# Altium PCB HYDRA_V3_NAV.PcbDoc (part 1 of 2) (continued)
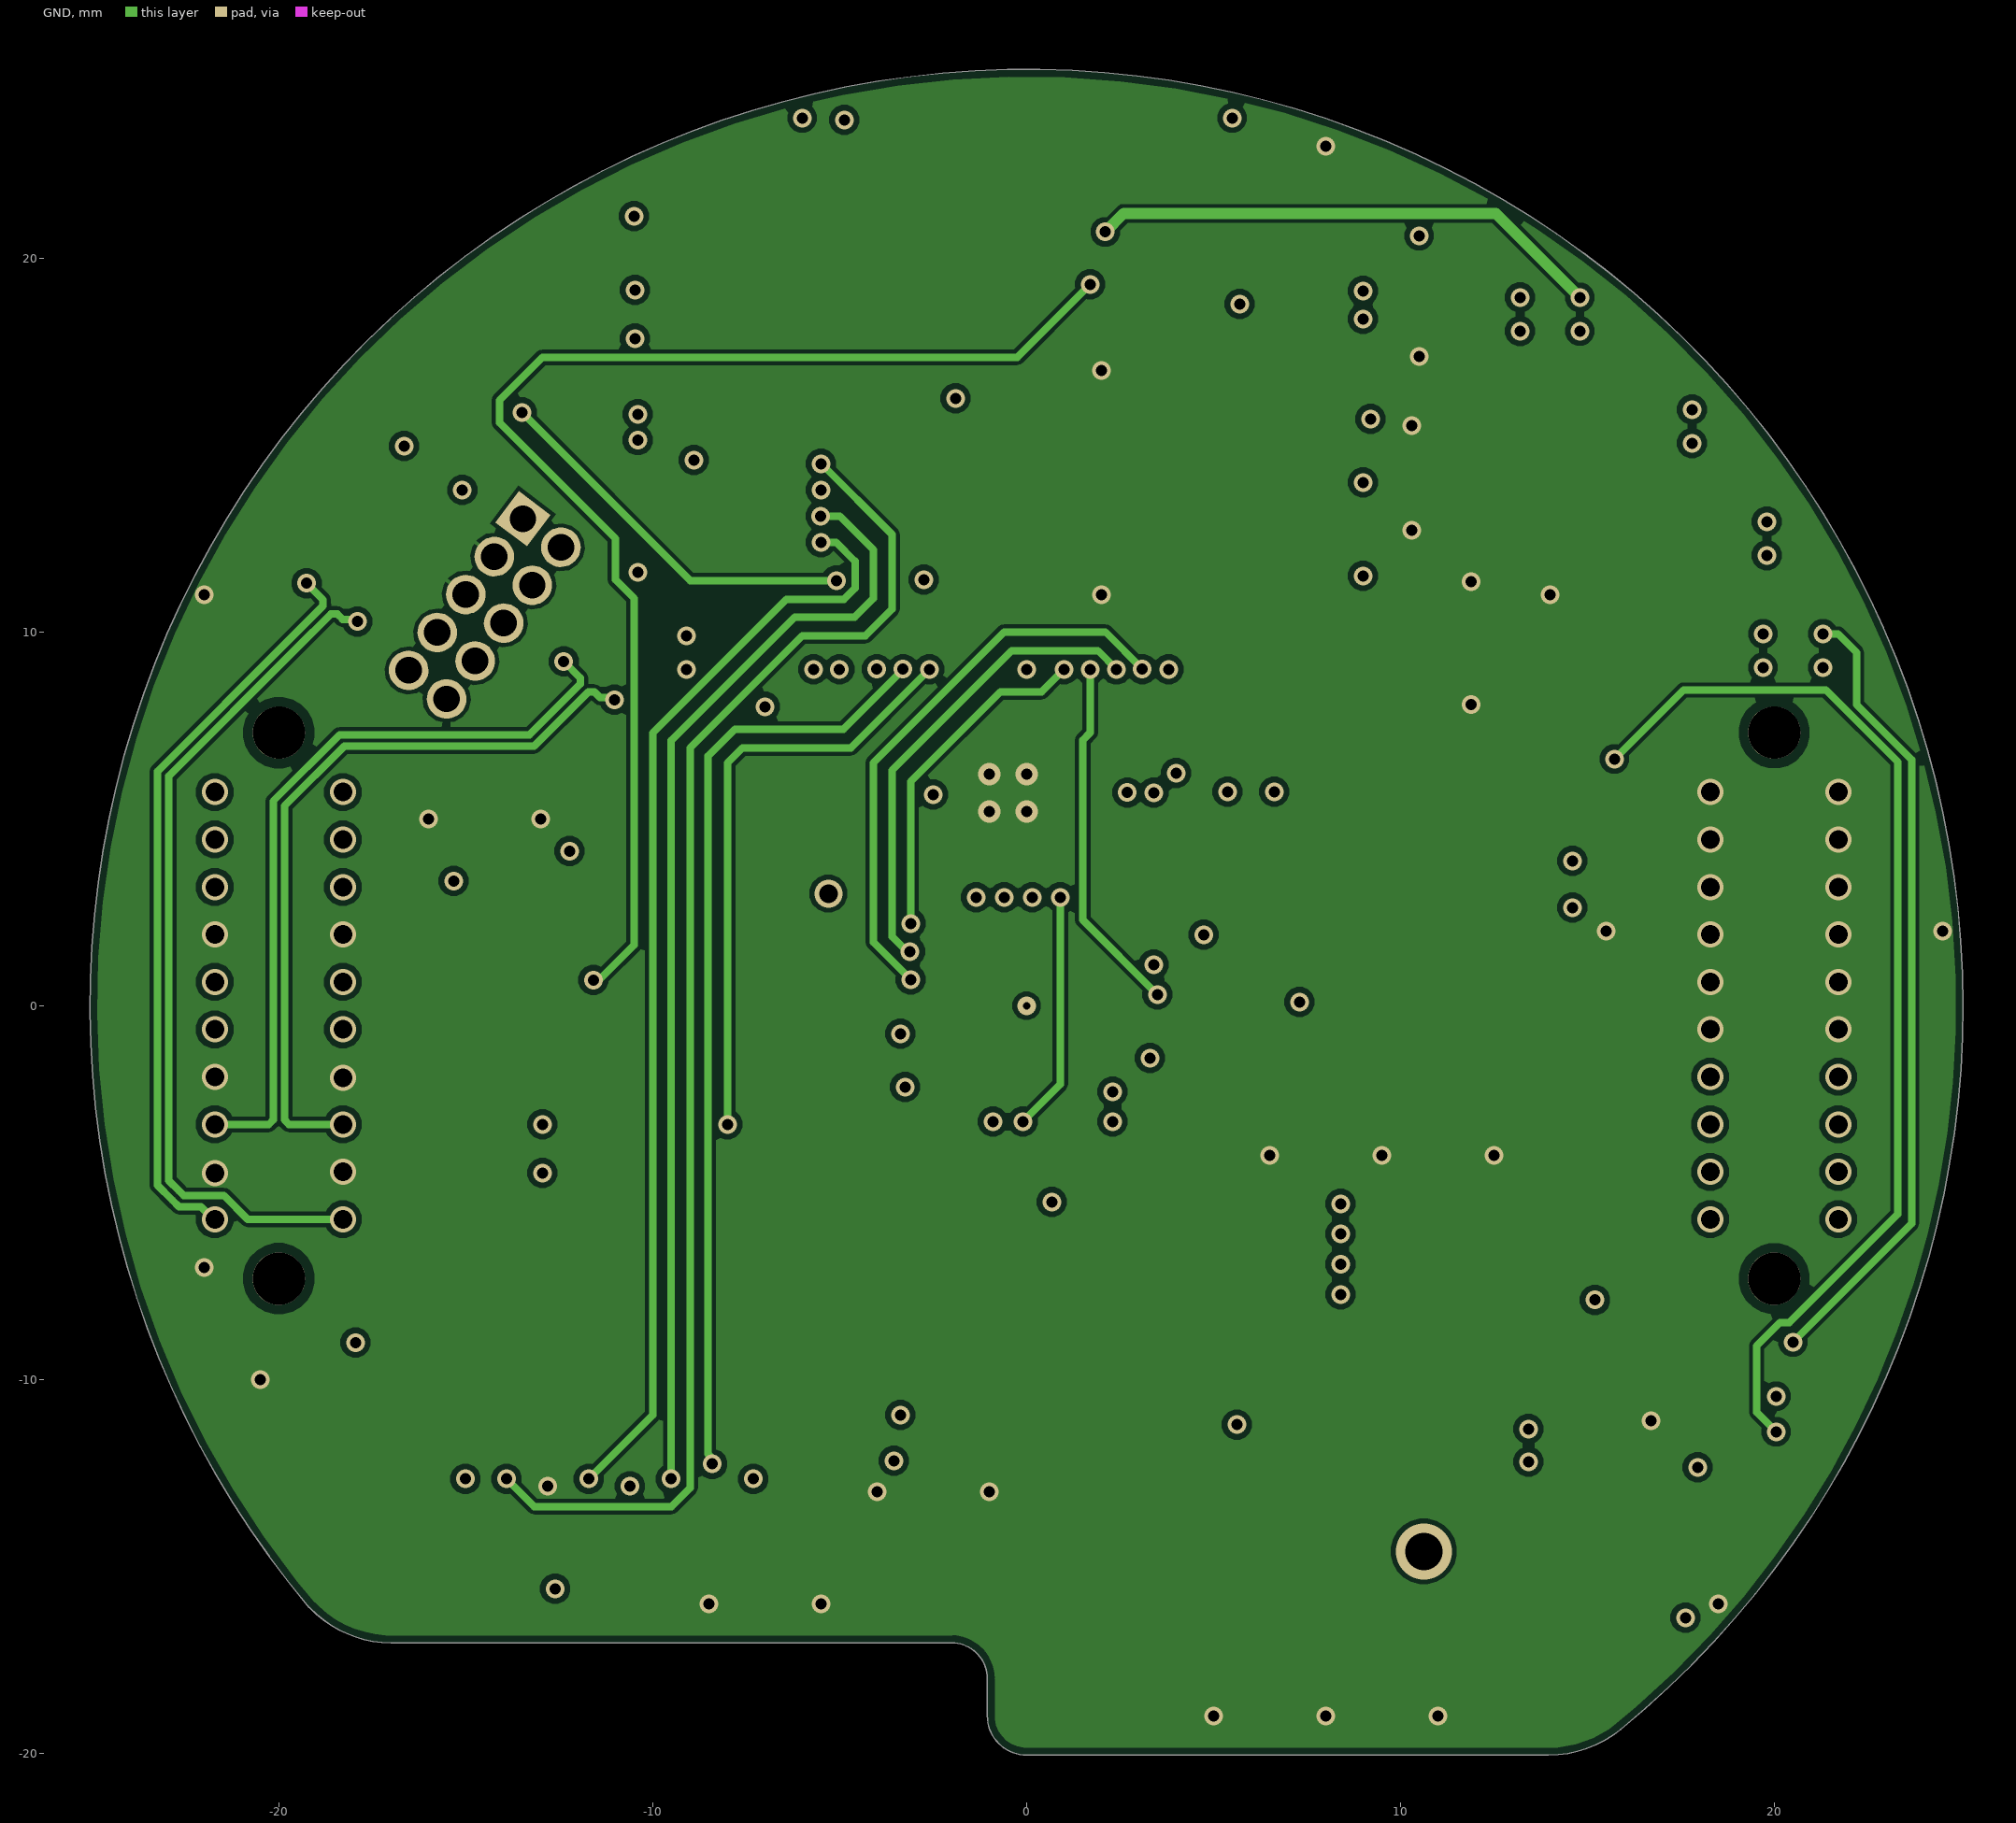
[diagram p3: GND]
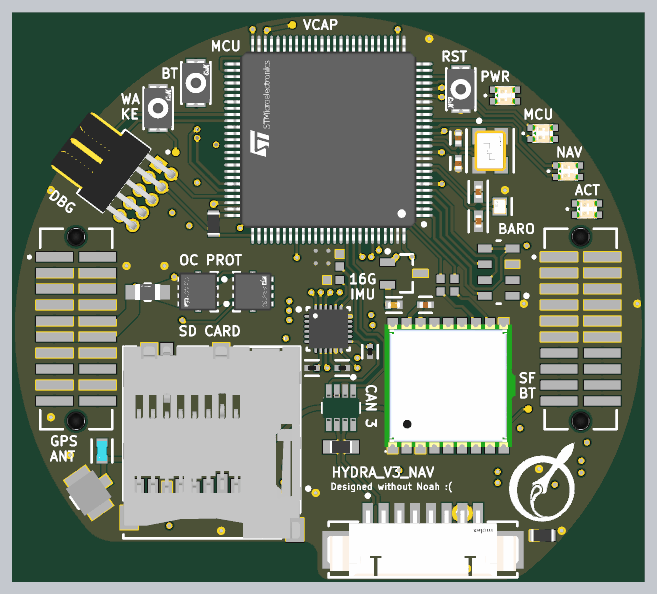
[diagram p5: 3D render of the assembled board from above, using the file's embedded part models]
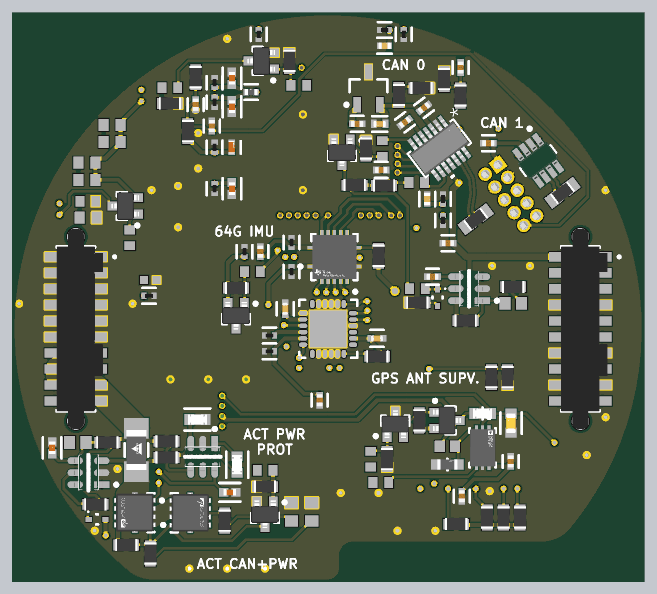
[diagram p6: 3D render of the assembled board from below, using the file's embedded part models]

## Layer stack, top to bottom
Top Solder: solder mask 0.0127, Solder Resist, Dk 3.8
TOP SIG: signal copper 0.035
Dielectric 1: prepreg 0.2104, 7628, Dk 4.6
PWR + INT SIG: signal copper 0.0152
Core: core 1.065, FR-4, Dk 4.5
GND: signal copper 0.0152
Dielectric 2: prepreg 0.2104, 7628, Dk 4.6
BOTTOM SIG: signal copper 0.035
Bottom Solder: solder mask 0.0127, Solder Resist, Dk 3.8

## Board outline
-17.004,-17.05 -2,-17.05 cw(c-2,-18) -1.05,-18 -1.05,-19 ccw(c0,-19) 0,-20.05 13.96,-20.05 13.961,-20.05 ccw(c13.96,-17) 15.886,-19.366 15.9,-19.357 ccw(c0,0) 25.05,0 ccw(c0,0) -19.19,-16.102 -19.165,-16.118 ccw(c-16.97,-14)

## Design rules (kind name [scope] priority, off if disabled: settings)
BoardOutlineClearance [All] p1: gap=0.2 ignorepadtopadclearanceinfootprint=FALSE
Clearance [All] p1: gap=0.102 ignorepadtopadclearanceinfootprint=FALSE except(0.127: Arc-Via Track-Via SMDPad-Via THPad-Via Via-Via Via-Fill Via-Poly Via-Region Via-Text; 0.25: Arc-Hole Track-Hole SMDPad-Hole THPad-Hole Via-Hole Fill-Hole Poly-Hole Region-Hole Text-Hole)
ComponentClearance [All] p1: gap=0.102 collisioncheckmode=3 verticalgap=0.102 showdistances=TRUE
DiffPairsRouting [All] p1: maxlimit=0.102 minlimit=0.102 mostfreqgap=0.102 toplayer_minwidth=0.102 toplayer_maxwidth=1816.048 toplayer_prefwidth=0.102 midlayer1_minwidth=0.102 midlayer1_maxwidth=1816.048 midlayer1_prefwidth=0.102 midlayer2_minwidth=0.102 midlayer2_maxwidth=1816.048 midlayer2_prefwidth=0.102 bottomlayer_minwidth=0.102 bottomlayer_maxwidth=1816.048 bottomlayer_prefwidth=0.102 maxuncoupledlength=12.7
Height [All] p1: minheight=0 maxheight=1816.048 prefheight=12.7
HoleSize [All] p1: absolutevalues=TRUE maxlimit=6.3 minlimit=0.2 maxpercent=80.000 minpercent=20.000
HoleToHoleClearance [All] p1: gap=0.25 allowstackedmicrovias=FALSE
MinimumAnnularRing [All] p1: minimumring=0.076
MinimumSolderMaskSliver [All] p1: minsoldermaskwidth=0
PlaneClearance [All] p1: clearance=0.102
PlaneConnect PlaneConnectPowerPads [InPadClass('PowerPads')] p1: planeconnectstyle=Direct reliefexpansion=0.508 reliefentries=4 reliefconductorwidth=0.254 reliefairgap=0.254
PlaneConnect [All] p2: pad.planeconnectstyle=Relief pad.reliefexpansion=0.3 pad.reliefentries=4 pad.reliefconductorwidth=0.102 pad.reliefairgap=0.102 via.planeconnectstyle=Direct via.reliefexpansion=0.3 via.reliefentries=4 via.reliefconductorwidth=0.127 via.reliefairgap=0.127
PolygonConnect PolygonConnectPowerPads [All vs (InPadClass('PowerPads'))] p1: connectstyle=Direct reliefconductorwidth=0.254 reliefentries=4 polygonreliefangle="90 Angle" airgapwidth=0.254
PolygonConnect [All] p2: thpad.connectstyle=Relief thpad.reliefconductorwidth=0.102 thpad.reliefentries=4 thpad.polygonreliefangle="90 Angle" thpad.airgapwidth=0.102 smdpad.connectstyle=Direct smdpad.reliefconductorwidth=0.102 smdpad.reliefentries=4 smdpad.polygonreliefangle="90 Angle" smdpad.airgapwidth=0.102 via.connectstyle=Direct via.reliefconductorwidth=0.127 via.reliefentries=4 via.polygonreliefangle="90 Angle" via.airgapwidth=0.127
RoutingVias [All] p1: holewidth=0.2 width=0.45 viastyle="Through Hole" minholewidth=0.2 minwidth=0.45 maxholewidth=6.3 maxwidth=6.55
SilkToSilkClearance [All] p1: silktosilkclearance=0
SilkToSolderMaskClearance [IsPad] p1: minsilkscreentomaskgap=0.102 clearancetoexposedcopper=TRUE
SolderMaskExpansion [All] p1: expansion=0.075 istentingtop=FALSE
Width [All] p1: maxlimit=1816.048 minlimit=0.102 preferedwidth=0.102
Width Width_50SINGLE [InNetClass('50SINGLE')] p2: maxlimit=0.355 minlimit=0.264 preferedwidth=0.355 toplayer_minwidth=0.355 midlayer1_maxwidth=0.264 midlayer1_prefwidth=0.264 midlayer2_maxwidth=0.264 midlayer2_prefwidth=0.264 bottomlayer_minwidth=0.355 impedanceprofiledriven=TRUE impedanceprofileid={61503230-CAF7-4D86-9F86-0761DBFA93B6} impedanceprofilevalue=50.000000 minimp=50.000000 maximp=50.000000 favimp=50.000000
20 further rules are at their usual default settings.

## Classes and differential pairs
net class 50SINGLE: RF_IN
differential pair class 120DIFF: CAN0
component class SD_0: C44 R42 R43 R44 R45 R46 R47 SD1
component class PWR_PROT_1: C48 C49 D3 D7 Q5 Q11 Q12 Q14 R18 R19 R20 R57 R58 R59 R60 R61 R62 R63 R64 R65 R66 R67 R68 R69 R70 R71 R72 U14 U15
component class IMU_0: C34 C35 C36 C37 C38 C39 C40 C41 C42 C43 C50 C51 R31 R32 R33 R34 R82 U8 U9 U10 U11 U16
component class GPS_0: C45 C46 C47 J7 L1 Q8 Q9 Q10 R48 R49 R50 R51 R52 R53 R54 R55 R56 TP13 U12 U13
component class PWR_PROT_0: C16 D1 D5 Q3 Q4 Q6 Q17 R13 R15 R16 R17 R21 R23 R24 R35 R36 R75 R79 R80 R81 U4
component class MCU_0: C1 C2 C3 C4 C5 C6 C7 C8 C9 C10 C11 C12 C13 C14 C17 C18 C19 C20 C21 C22 C23 C24 C25 C26 C27 C28 C29 C30 C31 C32 C33 D2 D4 FB1 J6 R1 R2 R3 R4 R5 R6 R7 R8 R10 R22 R25 R26 R27 R28 R29 R30 R83 R84 SW1 SW2 SW3 TP5 TP6 TP7 U1 U2 U5 U6 U7 Y1 Y2
component class HYDRA_V3_NAV: J1 J2 J3 J4 J5
differential pair X: +X_P -X_N
differential pair X32: +X32_P -X32_N
differential pair CAN2: +CAN2_P -CAN2_N
differential pair CAN1: +CAN1_P -CAN1_N
differential pair CAN0: +CAN0_P -CAN0_N

## Components (designator, comment, footprint, x,y, rotation, side; value= is the part's Value field where it differs from the comment)
C1 "C0402C104K8PACTU" FP-C0402-BB-MFG 10.5,17.775 r270 bottom value="0.10 μF"
C2 "C0402C104K8PACTU" FP-C0402-BB-MFG -12.7,14.725 r180 bottom value="0.10 μF"
C3 "C1005X5R1A475K050BC" FP-C1005-050-0_15-MFG 7.65,14.4 r90 bottom
C4 "GRM155R71C104KA88D" FP-GRM15-MFG 9,14.4 r270 bottom value=0.10μF
C5 "GRM155R71C104KA88D" FP-GRM15-MFG 5.5,23.35 r90 bottom value=0.10μF
C6 "C0402C104K8PACTU" FP-C0402-BB-MFG 0.675,-5.65 r90 bottom value="0.10 μF"
C7 "GRM155R71C104KA88D" FP-GRM15-MFG -6,23.35 r90 bottom value=0.10μF
C8 "GRM155R71C104KA88D" FP-GRM15-MFG -9.1,8.6 r90 bottom value=0.10μF
C9 "GRM155R71C104KA88D" FP-GRM15-MFG 6.625,6.125 r270 bottom value=0.10μF
C10 "EMK105BJ105KV-F" FP-0402-L_1_0_0_05-W_0_5-IPC_A 7.625,19.875 r90 bottom
C11 "GRM155R71C104KA88D" FP-GRM15-MFG 9,19.525 r270 bottom value=0.10μF
C12 "C1005X7S1A225K050BC" FP-C1005-050-0_15-0_1-MFG -4.475,22.45 r180 bottom
C13 "GRM155R71C104KA88D" FP-GRM15-MFG -4.475,23.7 r180 bottom value=0.10μF
C14 "C1005X7S1A225K050BC" FP-C1005-050-0_15-0_1-MFG -7.85,10.3 r270 bottom
C16 "C0402C104K8PACTU" FP-C0402-BB-MFG -8.275,4.137 r0 bottom value="0.10 μF"
C17 "GRM155R71C104KA88D" FP-GRM15-MFG -9.1,10.3 r270 bottom value=0.10μF
C18 "EMK105BJ105KV-F" FP-0402-L_1_0_0_05-W_0_5-IPC_A 7.625,11.125 r270 bottom
C19 "GRM155R71C104KA88D" FP-GRM15-MFG 9,11.125 r90 bottom value=0.10μF
C20 "EMK105BJ105KV-F" FP-0402-L_1_0_0_05-W_0_5-IPC_A 7.625,17.625 r270 bottom
C21 "GRM155R71C104KA88D" FP-GRM15-MFG 9,17.975 r90 bottom value=0.10μF
C22 "C0402C104K8PACTU" FP-C0402-BB-MFG -7.603,17.528 r323 bottom value="0.10 μF"
C23 "C0402C104K8PACTU" FP-C0402-BB-MFG -6.086,16.385 r143 bottom value="0.10 μF"
C24 "C0402C104K8PACTU" FP-C0402-BB-MFG -9.5,6.8 r180 bottom value="0.10 μF"
C25 "C0402C104K8PACTU" FP-C0402-BB-MFG -4.2,12.6 r180 bottom value="0.10 μF"
C26 "CL05A106MP5NUNC" FP-CL05A106MP5NUNC-MFG -4.088,16.25 r0 bottom value=10uF
C27 "C0402C104K8PACTU" FP-C0402-BB-MFG -2.3,16.25 r0 bottom value="0.10 μF"
C28 "C0402C689C5GACTU" FP-C0402-BB-MFG 10.3,13.125 r270 top value="6.8 pF"
C29 "C0402C689C5GACTU" FP-C0402-BB-MFG 10.3,15.125 r90 top value="6.8 pF"
C30 "C0402C104K8PACTU" FP-C0402-BB-MFG -10.5,20.725 r90 bottom value="0.10 μF"
C31 "C0402C104K8PACTU" FP-C0402-BB-MFG 9.212,16.087 r90 bottom value="0.10 μF"
C32 "04025A180FAT2A" FP-0402-L_1_0_1-W_0_5_0_1-IPC_A 11.894,8.525 r270 top
C33 "04025A180FAT2A" FP-0402-L_1_0_1-W_0_5_0_1-IPC_A 11.894,10.875 r90 top
C34 "GRM155R71C104KA88D" FP-GRM15-MFG 14.2,2.625 r0 bottom value=0.10μF
C35 "CC0402KPX7R7BB103" FP-CC0402-MFG 3.4,1.6 r90 bottom value="10 nF"
C36 "CC0402KPX7R7BB103" FP-CC0402-MFG -3.875,-0.75 r180 bottom value="10 nF"
C37 "GRM155R71C104KA88D" FP-GRM15-MFG 4.65,-1.775 r180 bottom value=0.10μF
C38 "GRM155R71C104KA88D" FP-GRM15-MFG 4.65,-0.525 r180 bottom value=0.10μF
C39 "GRM155R71C104KA88D" FP-GRM15-MFG 1.1,-3.1 r180 top value=0.10μF
C40 "GRM155R71C104KA88D" FP-GRM15-MFG 3.3,-1.8 r90 top value=0.10μF
C41 "GRM155R71C104KA88D" FP-GRM15-MFG -1.3,-3.1 r0 top value=0.10μF
C42 "CL05A106MP5NUNC" FP-CL05A106MP5NUNC-MFG 5.2,1.9 r0 top value=10uF
C43 "C0402C104K8PACTU" FP-C0402-BB-MFG 5.375,6.125 r270 bottom value="0.10 μF"
C44 "C0402C104K8PACTU" FP-C0402-BB-MFG -10.61,-13.26 r270 bottom value="0.10 μF"
C45 "C0402C104K8PACTU" FP-C0402-BB-MFG 7.7,1.9 r0 top value="0.10 μF"
C46 "CC0603KRX7R9BB103" FP-CC0603-DA-MFG -14.5,-7.475 r270 bottom value="10 nF"
C47 "C0402C104K8PACTU" FP-C0402-BB-MFG -14.475,-10.5 r90 bottom value="0.10 μF"
C48 "GRM188R71H104KA93D" FP-0402-L_1_0_0_05-W_0_5-IPC_A 21.875,-9.425 r90 bottom
C49 "GRM188R71H104KA93D" FP-0402-L_1_0_0_05-W_0_5-IPC_A 7.796,-12.95 r180 bottom
C50 "GRM155R71C104KA88D" FP-GRM15-MFG 2.9,4.55 r90 bottom value=0.10μF
C51 "GRM155R71C104KA88D" FP-GRM15-MFG 2.9,6.85 r270 bottom value=0.10μF
D1 "150066RG54050" WL-SBCD_0606 14,18.5 r90 top
D2 "150066RG54050" WL-SBCD_0606 17,15.5 r90 top
D3 "150066RG54050" WL-SBCD_0606 20.5,9.5 r90 top
D4 "150066RG54050" WL-SBCD_0606 19,12.5 r90 top
D5 "MM5Z3V3T1G" ONSC-SOD-523-2-502-01_V -8.675,2.487 r270 bottom
D7 "MM5Z3V3T1G" ONSC-SOD-523-2-502-01_V 18.315,-15.1 r180 bottom
FB1 "BLM15PX601SN1D" FP-BLM15-0_05-MFG 6.1,18.775 r0 bottom
J1 "SFML-110-02-L-D-A" SFML-110-02-L-D-A-Footprint-1 -20,0 r270 bottom
J2 "SFML-110-02-L-D-A" SFML-110-02-L-D-A-Footprint-1 20,0 r270 bottom
J3 "53261-0871" FP-532610871-MFG 7.5,-17.5 r180 top
J4 "TFML-110-02-L-D-A" TFML-110-02-L-D-A-Footprint-1 -20,0 r270 top
J5 "TFML-110-02-L-D-A" TFML-110-02-L-D-A-Footprint-1 20,0 r270 top
J6 "FTSH-105-01-F-D-RA-K" FTSH-105-01-F-D-RA-K-Footprint-1 -15,11 r53 top
J7 "U.FL-R-SMT(10)" FP-U_FL-R-SMT_10-MFG -19,-13 r305 top
L1 "LQW18AN27NJ00D" FP-LQW18AN_00-MFG -17.95,-9.675 r270 top
Q3 "SISH615ADN-T1-GE3" SISH615ADN-T1-GE3-Footprint-1#1 -10.325,2.922 r90 top
Q4 "SISH615ADN-T1-GE3" SISH615ADN-T1-GE3-Footprint-1#1 -6,3 r270 top
Q5 "DMG1013UW-7" DIOD-SOT323-3_V 16.075,9.75 r0 bottom
Q6 "BSS138W-7-F" DIOD-SOT323-3_V -1.1,14 r270 bottom
Q8 "DMG1013UW-7" DIOD-SOT323-3_V 7.3,1.05 r270 bottom
Q9 "DMG1013UW-7" DIOD-SOT323-3_V -9.425,-7.25 r180 bottom
Q10 "BSS138W-7-F" DIOD-SOT323-3_V -5.325,-7.55 r90 bottom
Q11 "SISH615ADN-T1-GE3" SISH615ADN-T1-GE3-Footprint-1#2 15.325,-14.6 r90 bottom
Q12 "SISH615ADN-T1-GE3" SISH615ADN-T1-GE3-Footprint-1#2 10.925,-14.537 r270 bottom
Q14 "BSS138W-7-F" DIOD-SOT323-3_V 5,-14.7 r270 bottom
Q17 "BSS138W-7-F" DIOD-SOT323-3_V 5.3,21.25 r0 bottom
R1 "ERJ3EKF1002V" RESC1609X55X30LL15T15 -9.2,19.8 r270 bottom
R2 "ERJ3EKF1002V" RESC1609X55X30LL15T15 -9.1,8.35 r270 top
R3 "ERJ-3EKF1200V" RESC1609X55X30ML15T15 -18.58,10.791 r143 bottom
R4 "ERJ-3EKF1200V" RESC1609X55X30ML15T15 1,-9.35 r0 top
R5 "ERJ-3EKF1200V" RESC1609X55X30ML15T15 -11.7,8.7 r323 bottom
R6 "ERJ3EKF1002V" RESC1609X55X30LL15T15 -4.44,11.375 r180 bottom
R7 "ERJ-3EKF1001V" RESC1608X55X30LL15T15#1 -7.025,11.6 r0 bottom
R8 "ERJ3EKF1002V" RESC1609X55X30LL15T15 -5.6,18.55 r270 bottom
R10 "ERJ3EKF1002V" RESC1609X55X30LL15T15 -7.4,19.1 r180 bottom
R13 "ERJ3EKF1002V" RESC1609X55X30LL15T15 -10.9,0.65 r180 bottom
R15 "ERJ-6DSFR10V" FP-ERJ6D-MFG -14.325,2.922 r0 top
R16 "ERJ3EKF1002V" RESC1609X55X30LL15T15 -14.675,3.337 r180 bottom
R17 "RT0603BRD071ML" RESC1608X55X30NL20T20 -14.675,2.037 r180 bottom
R18 "ERJ-3EKF1001V" RESC1608X55X30LL15T15#1 15.725,7.225 r90 bottom
R19 "ERJ3EKF56R0V" RESC1608X55X30NL15T15 19.025,8.825 r0 bottom
R20 "ERJ-3EKF1001V" RESC1608X55X30LL15T15#1 19.05,10.125 r180 bottom
R21 "ERJ3EKF1002V" RESC1609X55X30LL15T15 -2.1,11.4 r180 bottom
R22 "ERJ3EKF56R0V" RESC1608X55X30NL15T15 17.125,14.825 r180 bottom
R23 "ERJ-3EKF1001V" RESC1608X55X30LL15T15#1 -7.075,3.187 r180 bottom
R24 "ERJ-3EKF1001V" RESC1608X55X30LL15T15#1 -4.3,14.3 r90 bottom
R25 "ERJ3EKF56R0V" RESC1608X55X30NL15T15 17.125,16.175 r180 bottom
R26 "ERJ-3EKF3300V" RESC1608X55X30LL15T15#2 -10.475,18.5 r270 bottom
R27 "ERJ-3EKF3300V" RESC1608X55X30LL15T15#2 10.5,19.95 r90 bottom
R28 "ERJ3EKF56R0V" RESC1608X55X30NL15T15 19.125,11.825 r180 bottom
R29 "ERJ3EKF1002V" RESC1609X55X30LL15T15 11.125,15.675 r90 bottom
R30 "ERJ3EKF56R0V" RESC1608X55X30NL15T15 19.125,13.175 r180 bottom
R31 "ERJ3EKF1002V" RESC1609X55X30LL15T15 -3.9,-2.175 r180 bottom
R32 "0402 JUMPER" RESC1005X40X25ML05T05 0.9,5.45 r90 top
R33 "0402 JUMPER" RESC1005X40X25ML05T05 0.4,3.875 r180 top
R34 "ERJ3EKF1002V" RESC1609X55X30LL15T15 -4,5.8 r270 bottom
R35 "ERJ3EKF1002V" RESC1609X55X30LL15T15 -3,14.3 r270 bottom
R36 "ERJ3EKF1002V" RESC1609X55X30LL15T15 -7.075,2.087 r180 bottom
R42 "ERJ3EKF1002V" RESC1609X55X30LL15T15 -12.95,-3.825 r270 bottom
R43 "ERJ3EKF1002V" RESC1609X55X30LL15T15 -14.225,-3.825 r90 bottom
R44 "ERJ3EKF1002V" RESC1609X55X30LL15T15 -12.61,-14.95 r270 bottom
R45 "ERJ3EKF1002V" RESC1609X55X30LL15T15 -10.16,-15.475 r180 bottom
R46 "ERJ3EKF1002V" RESC1609X55X30LL15T15 -13.91,-14.95 r270 bottom
R47 "ERJ3EKF1002V" RESC1609X55X30LL15T15 -15.21,-14.95 r270 bottom
R48 "ERJ3EKF1002V" RESC1609X55X30LL15T15 7.3,3.25 r0 bottom
R49 "ERJ-3EKF1001V" RESC1608X55X30LL15T15#1 6,4.525 r0 bottom
R50 "ERJ3EKF1002V" RESC1609X55X30LL15T15 -7.225,-7.25 r270 bottom
R51 "ERJ-3EKF10R0V" FP-ERJ3EK-MFG -12.25,-6.7 r0 bottom value=10Ω
R52 "ERJ-3EKF1001V" RESC1608X55X30LL15T15#1 -3.375,-10.325 r90 bottom
R53 "ERA3AEB561V" RESC1608X55X30LL20T20 -9.45,-9.3 r0 bottom
R54 "ERJ3EKF1002V" RESC1609X55X30LL15T15 -4.675,-10.325 r90 bottom
R55 "RC0603FR-07100KL" FP-RC0603-0_55-MFG -9.45,-10.75 r180 bottom
R56 "ERJ-3EKF1001V" RESC1608X55X30LL15T15#1 -4.175,-12.175 r180 bottom
R57 "ERJ3EKF1002V" RESC1609X55X30LL15T15 14.1,-17.8 r270 bottom
R58 "ERJ-3EKF2001V" RESC1608X55X30ML15T15 1.3,-14.5 r270 bottom
R59 "WSLP1206R0100FEA" FP-WSLP1206-FP_1_65x1_93x-MFG 15.2,-9.6 r270 bottom
R60 "ERJ3EKF1002V" RESC1609X55X30LL15T15 18.45,-13.9 r180 bottom
R61 "ERJ3EKF1002V" RESC1609X55X30LL15T15 17.5,-9 r180 bottom
R62 "ERJ3EKF1002V" RESC1609X55X30LL15T15 16.975,-16.375 r0 top
R63 "ERJ3EKF1002V" RESC1609X55X30LL15T15 16,-17.125 r0 bottom
R64 "RT0603BRD071ML" RESC1608X55X30NL20T20 19.85,-9 r180 bottom
R65 "ERJ3EKF1002V" RESC1609X55X30LL15T15 8.2,-15.2 r270 bottom
R66 "ERJ-3EKF2001V" RESC1608X55X30ML15T15 2.9,-14.5 r270 bottom
R67 "ERJ-3EKF1001V" RESC1608X55X30LL15T15#1 5,-11.207 r0 bottom
R68 "ERJ3EKF1002V" RESC1609X55X30LL15T15 5,-12.507 r180 bottom
R69 "ERJ-3EKF1004V" FP-ERJ3EK-IPC_C 7.21,-10.762 r90 bottom
R70 "ERJ3EKF1002V" RESC1609X55X30LL15T15 12.81,-8.912 r180 bottom
R71 "ERJ3EKF1002V" RESC1609X55X30LL15T15 12.81,-10.187 r180 bottom
R72 "ERJ-3EKF1004V" FP-ERJ3EK-IPC_C 10.36,-7.187 r0 bottom
R75 "ERJ3EKF1002V" RESC1609X55X30LL15T15 3.075,21.25 r270 bottom
R79 "ERJ-3EKF3300V" RESC1608X55X30LL15T15#2 12.55,17.875 r180 bottom
R80 "ERJ-3EKF1001V" RESC1608X55X30LL15T15#1 12.55,19.125 r0 bottom
R81 "ERJ-3EKF1001V" RESC1608X55X30LL15T15#1 2.325,19.325 r180 bottom
R82 "0402 JUMPER" RESC1005X40X25ML05T05 14.1,3.875 r0 bottom
R83 "0402 JUMPER" RESC1005X40X25ML05T05 10,3.475 r270 top
R84 "0402 JUMPER" RESC1005X40X25ML05T05 8.9,3.475 r270 top
SD1 "473521001" MOLX-473521001_V -9.25,-9 r0 top
SW1 "KXT331LHS" FP-KXT331LHS-MFG -13.5,17.5 r90 top locked
SW2 "KXT331LHS" FP-KXT331LHS-MFG -10.5,19.5 r90 top locked
SW3 "KXT331LHS" FP-KXT331LHS-MFG 10.5,19 r270 top
TP5 "TPAD6R" TP06R#1 -2.85,24.1 r90 top
TP6 "TPAD6R" TP06R#1 -9.1,9.9 r90 top
TP7 "TPAD6R" TP06R#2 -11.9,14.7 r90 top
TP13 "TPAD6R" TP06R#1 15.85,-6.35 r90 top
U1 "STM32H730VBT6" FP-LQFP100-1L-IPC_C 0,15 r180 top
U2 "TCAN330GDCNR" FP-DCN0008A-MFG -16.654,13.347 r233 bottom
U4 "TLV1805DBVR" FP-DBV0006A-IPC_C -11.175,3.187 r0 bottom
U5 "TCAN330GDCNR" FP-DCN0008A-MFG 1,-6.25 r270 top
U6 "TCAN1146DYYRQ1" TCAN1146DYYRQ1-Footprint-1 -8.822,14.315 r233 bottom
U7 "AP7375-50SA-7" AP7375-50SA-7-Footprint-1 -3.2,19.075 r90 bottom
U8 "IIM-20670" PQFN50P450X450X115_HS-25N 0,0 r270 bottom
U9 "MS561101BA03-50" MSI-MS561101BA03-50-8_V 13.5,4.5 r180 top
U10 "ICM-20948" TDK-QFN-24_L 0,0 r0 top
U11 "AP7375-18SA-7" AP7375-18SA-7-Footprint-1 6,4.4 r0 top
U12 "MAX-M10M-00B" MAX-M10M-00B-Footprint-1 9.5,-4.5 r90 top
U13 "LT6000IDCB#TRMPBF" FP-DCB-6-05-08-1715-MFG -12.25,-9.425 r270 bottom
U14 "TLV1805DBVR" FP-DBV0006A-IPC_C 19,-11.4 r0 bottom
U15 "TLV1805DBVR" FP-DBV0006A-IPC_C 9.935,-10.137 r270 bottom
U16 "TXB0104RGYR" FP-RGY0014A-MFG -0.5,5.7 r90 bottom
Y1 "ABM8-48.000MHZ-B2-T" FP-ABM8-MFG 12.825,14.125 r270 top
Y2 "ECS-.327-12.5-1210-TR" FP-ECX-1210-MFG 13.594,9.7 r90 top
